# Altium PCB OctopusPB_r0101.PcbDoc (part 7 of 11)
Units mm, origin at the board's own origin, x right, y up, seen from the top; angles counter-clockwise.
Board outline 318 x 80 mm, 4 copper layers (Top Layer, Layer 1, Layer 2, Bottom Layer), stack 1.567 mm thick; 1067 components, 459 nets, 3580 pads, 4392 vias.
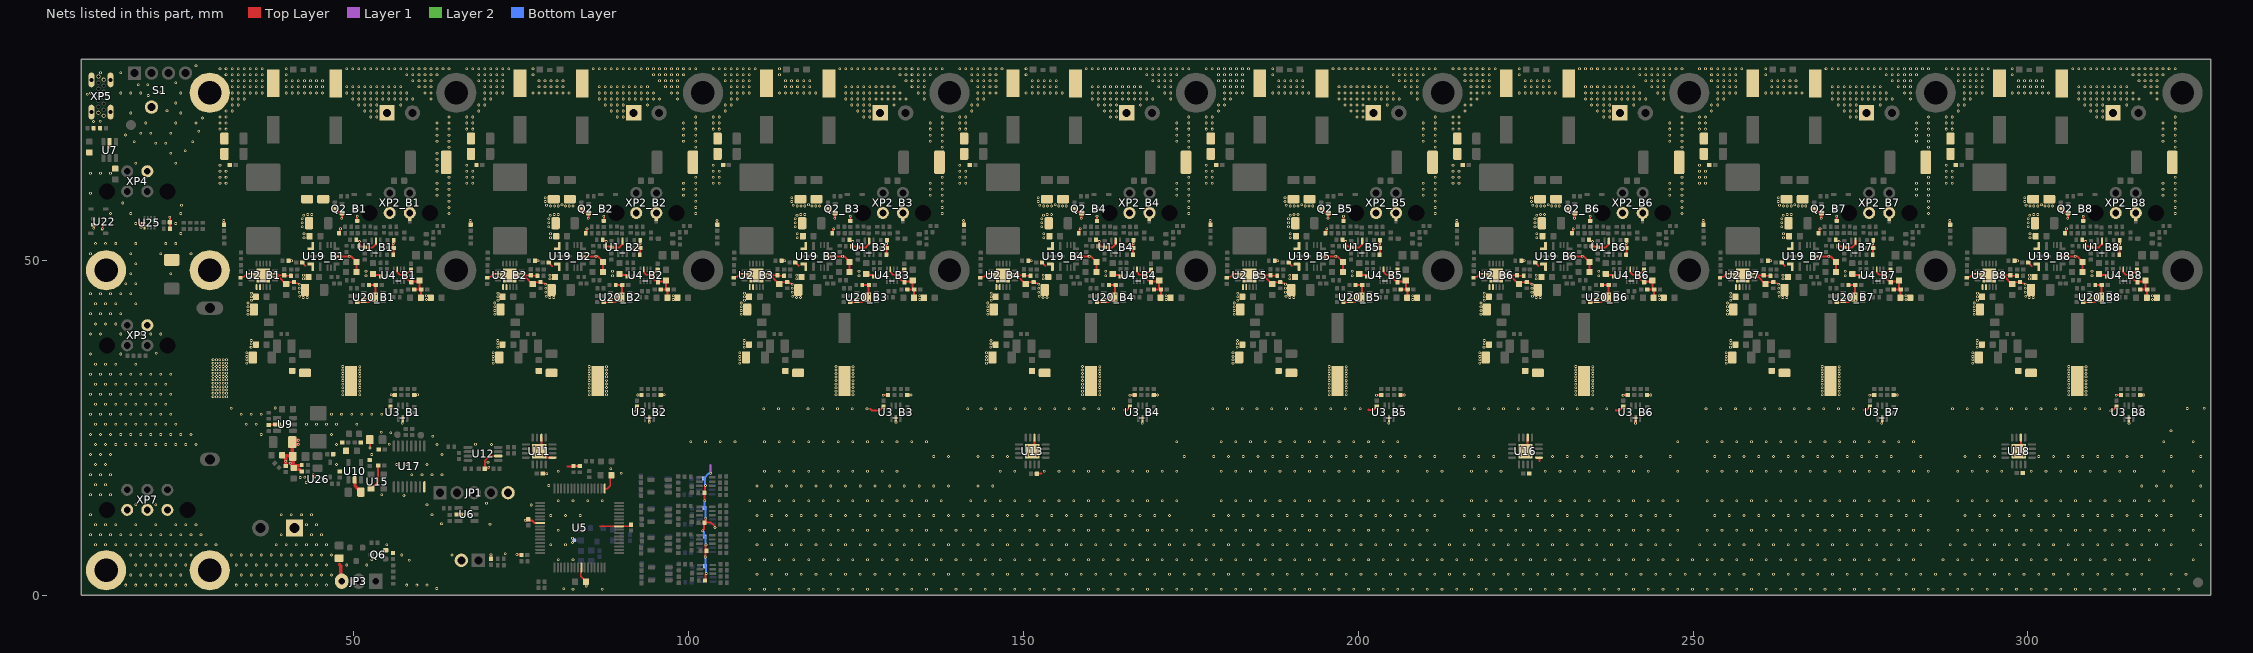
[diagram p9: the nets of this part, all layers, seen from the top]

## Via types
v1: diameter 0.4, hole 0.2, Top Layer to Bottom Layer, tented both sides, 4332 vias
v2: diameter 0.5, hole 0.2, Top Layer to Bottom Layer, tented both sides, 59 vias
v3: diameter 0.4, hole 0.2, Top Layer to Bottom Layer, 1 vias

## Nets (pads, with @x,y where several pads share a name; then routed paths per layer and width w, separated by ;. In a path a pad name is that pad's centre, name@x,y a point inside that pad or via, vN(x,y) a via of type N, cw(c..) or ccw(c..) an arc to the next point about the centre after c; other vN are vias at no path point) (continued)
DGND: (continued)
  other v1: 82.716,0.884 87.116,0.884 109.116,0.884 111.316,0.884 113.516,0.884 115.716,0.884 117.916,0.884 120.116,0.884 122.316,0.884 124.516,0.884 126.716,0.884 128.916,0.884 131.116,0.884 133.316,0.884 135.516,0.884 137.716,0.884 139.916,0.884 142.116,0.884 144.316,0.884 146.516,0.884 148.716,0.884 150.916,0.884 153.116,0.884 155.316,0.884 157.516,0.884 159.716,0.884 161.916,0.884 164.116,0.884 166.316,0.884 168.516,0.884 170.716,0.884 172.916,0.884 175.116,0.884 177.316,0.884 179.516,0.884 181.716,0.884 183.916,0.884 186.116,0.884 188.316,0.884 190.516,0.884 192.716,0.884 194.916,0.884 197.116,0.884 199.316,0.884 201.516,0.884 203.716,0.884 205.916,0.884 208.116,0.884 210.316,0.884 212.516,0.884 214.716,0.884 216.916,0.884 219.116,0.884 221.316,0.884 223.516,0.884 225.716,0.884 227.916,0.884 230.116,0.884 232.316,0.884 234.516,0.884 236.716,0.884 238.916,0.884 241.116,0.884 243.316,0.884 245.516,0.884 247.716,0.884 249.916,0.884 252.116,0.884 254.316,0.884 256.516,0.884 258.716,0.884 260.916,0.884 263.116,0.884 265.316,0.884 267.516,0.884 269.716,0.884 271.916,0.884 274.116,0.884 276.316,0.884 278.516,0.884 280.716,0.884 282.916,0.884 285.116,0.884 287.316,0.884 289.516,0.884 291.716,0.884 293.916,0.884 296.116,0.884 298.316,0.884 300.516,0.884 302.716,0.884 304.916,0.884 307.116,0.884 309.316,0.884 311.516,0.884 313.716,0.884 315.916,0.884 318.116,0.884 320.316,0.884 322.516,0.884 81.35,0.925 62.4,0.975 15.916,1.484 17.416,1.484 18.916,1.484 20.416,1.484 21.916,1.484 23.416,1.484 24.916,1.484 32.416,1.484 33.916,1.484 35.416,1.484 36.916,1.484 38.416,1.484 39.916,1.484 41.416,1.484 42.916,1.484 44.416,1.484 45.916,1.484 57.916,1.484 59.416,1.484 60.916,1.484 16.666,2.984 18.166,2.984 19.666,2.984 21.166,2.984 22.666,2.984 24.166,2.984 33.166,2.984 34.666,2.984 36.166,2.984 37.666,2.984 39.166,2.984 40.666,2.984 42.166,2.984 43.666,2.984 45.166,2.984 46.666,2.984 110.216,3.084 112.416,3.084 114.616,3.084 116.816,3.084 119.016,3.084 121.216,3.084 123.416,3.084 125.616,3.084 127.816,3.084 130.016,3.084 132.216,3.084 134.416,3.084 136.616,3.084 138.816,3.084 141.016,3.084 143.216,3.084 145.416,3.084 147.616,3.084 149.816,3.084 152.016,3.084 154.216,3.084 156.416,3.084 158.616,3.084 160.816,3.084 163.016,3.084 165.216,3.084 167.416,3.084 169.616,3.084 171.816,3.084 174.016,3.084 176.216,3.084 178.416,3.084 180.616,3.084 182.816,3.084 185.016,3.084 187.216,3.084 189.416,3.084 191.616,3.084 193.816,3.084 196.016,3.084 198.216,3.084 200.416,3.084 202.616,3.084 204.816,3.084 207.016,3.084 209.216,3.084 211.416,3.084 213.616,3.084 215.816,3.084 218.016,3.084 220.216,3.084 222.416,3.084 224.616,3.084 226.816,3.084 229.016,3.084 231.216,3.084 233.416,3.084 235.616,3.084 237.816,3.084 240.016,3.084 242.216,3.084 244.416,3.084 246.616,3.084 248.816,3.084 251.016,3.084 253.216,3.084 255.416,3.084 257.616,3.084 259.816,3.084 262.016,3.084 264.216,3.084 266.416,3.084 268.616,3.084 270.816,3.084 273.016,3.084 275.216,3.084 277.416,3.084 279.616,3.084 281.816,3.084 284.016,3.084 286.216,3.084 288.416,3.084 290.616,3.084 292.816,3.084 295.016,3.084 297.216,3.084 299.416,3.084 301.616,3.084 303.816,3.084 306.016,3.084 308.216,3.084 310.416,3.084 312.616,3.084 314.816,3.084 317.016,3.084 321.416,3.084 323.616,3.084 102.625,3.225 17.416,4.484 18.916,4.484 20.416,4.484 21.916,4.484 23.416,4.484 24.916,4.484 32.416,4.484 33.916,4.484 35.416,4.484 36.916,4.484 38.416,4.484 39.916,4.484 41.416,4.484 42.916,4.484 44.416,4.484 45.916,4.484 48.916,4.484 51.916,4.484 58.25,5.175 52.678,5.25 80.516,5.284 82.716,5.284 109.116,5.284 111.316,5.284 113.516,5.284 115.716,5.284 117.916,5.284 120.116,5.284 122.316,5.284 124.516,5.284 126.716,5.284 128.916,5.284 131.116,5.284 133.316,5.284 135.516,5.284 137.716,5.284 139.916,5.284 142.116,5.284 144.316,5.284 146.516,5.284 148.716,5.284 150.916,5.284 153.116,5.284 155.316,5.284 157.516,5.284 159.716,5.284 161.916,5.284 164.116,5.284 166.316,5.284 168.516,5.284 170.716,5.284 172.916,5.284 175.116,5.284 177.316,5.284 179.516,5.284 181.716,5.284 183.916,5.284 186.116,5.284 188.316,5.284 190.516,5.284 192.716,5.284 194.916,5.284 197.116,5.284 199.316,5.284 201.516,5.284 203.716,5.284 205.916,5.284 208.116,5.284 210.316,5.284 212.516,5.284 214.716,5.284 216.916,5.284 219.116,5.284 221.316,5.284 223.516,5.284 225.716,5.284 227.916,5.284 230.116,5.284 232.316,5.284 234.516,5.284 236.716,5.284 238.916,5.284 241.116,5.284 243.316,5.284 245.516,5.284 247.716,5.284 249.916,5.284 252.116,5.284 254.316,5.284 256.516,5.284 258.716,5.284 260.916,5.284 263.116,5.284 265.316,5.284 267.516,5.284 269.716,5.284 271.916,5.284 274.116,5.284 276.316,5.284 278.516,5.284 280.716,5.284 282.916,5.284 287.316,5.284 289.516,5.284 291.716,5.284 293.916,5.284 296.116,5.284 298.316,5.284 300.516,5.284 302.716,5.284 304.916,5.284 307.116,5.284 309.316,5.284 311.516,5.284 313.716,5.284 315.916,5.284 318.116,5.284 324.716,5.284 16.666,5.984 18.166,5.984 19.666,5.984 21.166,5.984 22.666,5.984 24.166,5.984 25.666,5.984 31.666,5.984 33.166,5.984 34.666,5.984 36.166,5.984 37.666,5.984 39.166,5.984 40.666,5.984 42.166,5.984 43.666,5.984 45.166,5.984 46.666,5.984 57.166,5.984 64.666,5.984 72.6,6.15 11.416,7.484 12.916,7.484 14.416,7.484 15.916,7.484 17.416,7.484 18.916,7.484 20.416,7.484 21.916,7.484 23.416,7.484 24.916,7.484 26.416,7.484 27.916,7.484 29.416,7.484 38.416,7.484 39.916,7.484 41.416,7.484 42.916,7.484 44.416,7.484 45.916,7.484 54.916,7.484 79.416,7.484 81.616,7.484 110.216,7.484 112.416,7.484 114.616,7.484 116.816,7.484 119.016,7.484 121.216,7.484 123.416,7.484 125.616,7.484 127.816,7.484 130.016,7.484 132.216,7.484 134.416,7.484 136.616,7.484 138.816,7.484 141.016,7.484 143.216,7.484 145.416,7.484 147.616,7.484 149.816,7.484 152.016,7.484 154.216,7.484 156.416,7.484 158.616,7.484 160.816,7.484 163.016,7.484 165.216,7.484 167.416,7.484 169.616,7.484 171.816,7.484 174.016,7.484 176.216,7.484 178.416,7.484 180.616,7.484 182.816,7.484 185.016,7.484 187.216,7.484 189.416,7.484 191.616,7.484 193.816,7.484 196.016,7.484 198.216,7.484 200.416,7.484 202.616,7.484 204.816,7.484 207.016,7.484 209.216,7.484 211.416,7.484 213.616,7.484 215.816,7.484 218.016,7.484 220.216,7.484 222.416,7.484 224.616,7.484 226.816,7.484 229.016,7.484 231.216,7.484 233.416,7.484 235.616,7.484 237.816,7.484 240.016,7.484 242.216,7.484 244.416,7.484 246.616,7.484 251.016,7.484 253.216,7.484 255.416,7.484 257.616,7.484 259.816,7.484 262.016,7.484 264.216,7.484 266.416,7.484 268.616,7.484 270.816,7.484 273.016,7.484 275.216,7.484 277.416,7.484 279.616,7.484 281.816,7.484 284.016,7.484 288.416,7.484 290.616,7.484 292.816,7.484 295.016,7.484 297.216,7.484 299.416,7.484 301.616,7.484 303.816,7.484 306.016,7.484 308.216,7.484 310.416,7.484 312.616,7.484 314.816,7.484 317.016,7.484 319.216,7.484 321.416,7.484 325.816,7.484 82.65,7.85 82.65,8.475 10.666,8.984 12.166,8.984 13.666,8.984 15.166,8.984 16.666,8.984 18.166,8.984 19.666,8.984 21.166,8.984 22.666,8.984 24.166,8.984 25.666,8.984 27.166,8.984 39.166,8.984 43.666,8.984 45.166,8.984 80.516,9.684 109.116,9.684 111.316,9.684 113.516,9.684 115.716,9.684 117.916,9.684 120.116,9.684 122.316,9.684 124.516,9.684 126.716,9.684 128.916,9.684 131.116,9.684 133.316,9.684 135.516,9.684 137.716,9.684 139.916,9.684 142.116,9.684 144.316,9.684 146.516,9.684 148.716,9.684 150.916,9.684 153.116,9.684 155.316,9.684 157.516,9.684 159.716,9.684 161.916,9.684 164.116,9.684 166.316,9.684 168.516,9.684 170.716,9.684 172.916,9.684 175.116,9.684 177.316,9.684 179.516,9.684 181.716,9.684 183.916,9.684 186.116,9.684 188.316,9.684 190.516,9.684 192.716,9.684 194.916,9.684 197.116,9.684 199.316,9.684 201.516,9.684 203.716,9.684 205.916,9.684 208.116,9.684 210.316,9.684 216.916,9.684 219.116,9.684 221.316,9.684 223.516,9.684 225.716,9.684 227.916,9.684 230.116,9.684 232.316,9.684 234.516,9.684 236.716,9.684 238.916,9.684 241.116,9.684 243.316,9.684 245.516,9.684 247.716,9.684 252.116,9.684 254.316,9.684 256.516,9.684 258.716,9.684 260.916,9.684 263.116,9.684 265.316,9.684 267.516,9.684 269.716,9.684 271.916,9.684 274.116,9.684 276.316,9.684 278.516,9.684 280.716,9.684 282.916,9.684 285.116,9.684 289.516,9.684 291.716,9.684 293.916,9.684 296.116,9.684 298.316,9.684 300.516,9.684 302.716,9.684 304.916,9.684 307.116,9.684 309.316,9.684 311.516,9.684 313.716,9.684 315.916,9.684 318.116,9.684 320.316,9.684 324.716,9.684 11.416,10.484 12.916,10.484 14.416,10.484 17.416,10.484 20.416,10.484 23.416,10.484 24.916,10.484 26.416,10.484 42.916,10.484 44.416,10.484 70.325,10.575 63.1,10.625 79.416,11.884 81.616,11.884 83.816,11.884 110.216,11.884 112.416,11.884 114.616,11.884 116.816,11.884 119.016,11.884 121.216,11.884 123.416,11.884 125.616,11.884 127.816,11.884 130.016,11.884 132.216,11.884 134.416,11.884 136.616,11.884 138.816,11.884 141.016,11.884 143.216,11.884 145.416,11.884 147.616,11.884 149.816,11.884 152.016,11.884 154.216,11.884 156.416,11.884 158.616,11.884 160.816,11.884 163.016,11.884 165.216,11.884 167.416,11.884 169.616,11.884 171.816,11.884 178.416,11.884 180.616,11.884 182.816,11.884 185.016,11.884 187.216,11.884 189.416,11.884 191.616,11.884 193.816,11.884 196.016,11.884 198.216,11.884 200.416,11.884 202.616,11.884 204.816,11.884 207.016,11.884 209.216,11.884 211.416,11.884 215.816,11.884 218.016,11.884 220.216,11.884 222.416,11.884 224.616,11.884 226.816,11.884 229.016,11.884 231.216,11.884 233.416,11.884 235.616,11.884 237.816,11.884 240.016,11.884 242.216,11.884 244.416,11.884 246.616,11.884 253.216,11.884 255.416,11.884 257.616,11.884 259.816,11.884 262.016,11.884 264.216,11.884 266.416,11.884 268.616,11.884 270.816,11.884 273.016,11.884 275.216,11.884 277.416,11.884 279.616,11.884 281.816,11.884 284.016,11.884 290.616,11.884 292.816,11.884 295.016,11.884 297.216,11.884 299.416,11.884 301.616,11.884 303.816,11.884 306.016,11.884 308.216,11.884 310.416,11.884 312.616,11.884 314.816,11.884 317.016,11.884 319.216,11.884 321.416,11.884 325.816,11.884 10.666,11.984 39.166,11.984 40.666,11.984 42.166,11.984 43.666,11.984 61.666,11.984 76.475,13.45 17.416,13.484 20.416,13.484 60.916,13.484 69.8,13.7 80.516,14.084 82.716,14.084 84.916,14.084 87.116,14.084 109.116,14.084 111.316,14.084 113.516,14.084 115.716,14.084 117.916,14.084 120.116,14.084 122.316,14.084 124.516,14.084 126.716,14.084 128.916,14.084 131.116,14.084 133.316,14.084 135.516,14.084 137.716,14.084 142.116,14.084 144.316,14.084 146.516,14.084 148.716,14.084 150.916,14.084 153.116,14.084 155.316,14.084 157.516,14.084 159.716,14.084 161.916,14.084 164.116,14.084 166.316,14.084 168.516,14.084 170.716,14.084 172.916,14.084 179.516,14.084 181.716,14.084 183.916,14.084 186.116,14.084 188.316,14.084 190.516,14.084 192.716,14.084 194.916,14.084 197.116,14.084 199.316,14.084 201.516,14.084 203.716,14.084 205.916,14.084 208.116,14.084 210.316,14.084 212.516,14.084 216.916,14.084 219.116,14.084 221.316,14.084 223.516,14.084 225.716,14.084 227.916,14.084 230.116,14.084 232.316,14.084 234.516,14.084 236.716,14.084 238.916,14.084 241.116,14.084 243.316,14.084 245.516,14.084 247.716,14.084 252.116,14.084 254.316,14.084 256.516,14.084 258.716,14.084 260.916,14.084 263.116,14.084 265.316,14.084 267.516,14.084 269.716,14.084 271.916,14.084 274.116,14.084 276.316,14.084 278.516,14.084 280.716,14.084 282.916,14.084 285.116,14.084 289.516,14.084 291.716,14.084 293.916,14.084 296.116,14.084 298.316,14.084 300.516,14.084 302.716,14.084 304.916,14.084 307.116,14.084 309.316,14.084 311.516,14.084 313.716,14.084 315.916,14.084 318.116,14.084 320.316,14.084 324.716,14.084 57.475,14.875 10.666,14.984 12.166,14.984 13.666,14.984 54.166,14.984 110.216,16.284 112.416,16.284 114.616,16.284 116.816,16.284 119.016,16.284 121.216,16.284 123.416,16.284 125.616,16.284 127.816,16.284 130.016,16.284 132.216,16.284 134.416,16.284 136.616,16.284 138.816,16.284 143.216,16.284 145.416,16.284 317.016,16.284 319.216,16.284 321.416,16.284 325.816,16.284 79.1,16.35 11.416,16.484 12.916,16.484 53.416,16.484 42.875,16.8 41.975,17.55 42.65,17.575 10.666,17.984 12.166,17.984 13.666,17.984 58.666,17.984 60.166,17.984 61.666,17.984 63.166,17.984 89.925,18.175 80.516,18.484 111.316,18.484 113.516,18.484 115.716,18.484 117.916,18.484 120.116,18.484 122.316,18.484 124.516,18.484 126.716,18.484 128.916,18.484 131.116,18.484 146.516,18.484 148.716,18.484 153.116,18.484 155.316,18.484 157.516,18.484 159.716,18.484 161.916,18.484 164.116,18.484 166.316,18.484 168.516,18.484 170.716,18.484 172.916,18.484 179.516,18.484 181.716,18.484 183.916,18.484 186.116,18.484 188.316,18.484 190.516,18.484 192.716,18.484 194.916,18.484 197.116,18.484 199.316,18.484 201.516,18.484 203.716,18.484 205.916,18.484 210.316,18.484 212.516,18.484 216.916,18.484 219.116,18.484 221.316,18.484 227.916,18.484 230.116,18.484 232.316,18.484 234.516,18.484 236.716,18.484 238.916,18.484 241.116,18.484 243.316,18.484 247.716,18.484 252.116,18.484 254.316,18.484 256.516,18.484 258.716,18.484 260.916,18.484 263.116,18.484 265.316,18.484 267.516,18.484 269.716,18.484 271.916,18.484 274.116,18.484 276.316,18.484 278.516,18.484 280.716,18.484 282.916,18.484 285.116,18.484 289.516,18.484 291.716,18.484 293.916,18.484 296.116,18.484 300.516,18.484 302.716,18.484 304.916,18.484 307.116,18.484 309.316,18.484 311.516,18.484 313.716,18.484 315.916,18.484 320.316,18.484 324.716,18.484 88.35,18.875 11.416,19.484 12.916,19.484 47.416,19.484 56.416,19.484 57.916,19.484 59.416,19.484 60.916,19.484 70.025,19.825 136.616,20.684 138.816,20.684 143.216,20.684 145.416,20.684 147.616,20.684 174.016,20.684 178.416,20.684 180.616,20.684 182.816,20.684 185.016,20.684 187.216,20.684 189.416,20.684 191.616,20.684 193.816,20.684 196.016,20.684 198.216,20.684 200.416,20.684 202.616,20.684 204.816,20.684 207.016,20.684 209.216,20.684 211.416,20.684 215.816,20.684 218.016,20.684 220.216,20.684 229.016,20.684 231.216,20.684 233.416,20.684 235.616,20.684 237.816,20.684 240.016,20.684 242.216,20.684 246.616,20.684 253.216,20.684 255.416,20.684 257.616,20.684 259.816,20.684 262.016,20.684 264.216,20.684 266.416,20.684 268.616,20.684 270.816,20.684 273.016,20.684 275.216,20.684 277.416,20.684 279.616,20.684 284.016,20.684 290.616,20.684 292.816,20.684 295.016,20.684 301.616,20.684 303.816,20.684 306.016,20.684 308.216,20.684 310.416,20.684 312.616,20.684 314.816,20.684 317.016,20.684 321.416,20.684 325.816,20.684 10.666,20.984 12.166,20.984 13.666,20.984 52.666,20.984 63.166,20.984 70.55,22.475 11.416,22.484 12.916,22.484 14.416,22.484 15.916,22.484 17.416,22.484 18.916,22.484 20.416,22.484 21.916,22.484 23.416,22.484 24.916,22.484 26.416,22.484 47.416,22.484 55.275,22.5 62.416,22.484 68.175,22.525 100.316,22.884 102.516,22.884 104.716,22.884 106.916,22.884 111.316,22.884 113.516,22.884 115.716,22.884 117.916,22.884 120.116,22.884 122.316,22.884 124.516,22.884 126.716,22.884 128.916,22.884 131.116,22.884 133.316,22.884 135.516,22.884 172.916,22.884 179.516,22.884 181.716,22.884 183.916,22.884 186.116,22.884 188.316,22.884 190.516,22.884 192.716,22.884 194.916,22.884 197.116,22.884 199.316,22.884 201.516,22.884 203.716,22.884 205.916,22.884 247.716,22.884 252.116,22.884 254.316,22.884 256.516,22.884 258.716,22.884 260.916,22.884 263.116,22.884 265.316,22.884 267.516,22.884 269.716,22.884 271.916,22.884 274.116,22.884 276.316,22.884 278.516,22.884 280.716,22.884 282.916,22.884 320.316,22.884 324.716,22.884 61.775,23.725 10.666,23.984 12.166,23.984 13.666,23.984 15.166,23.984 16.666,23.984 18.166,23.984 19.666,23.984 21.166,23.984 22.666,23.984 24.166,23.984 25.666,23.984 36.166,23.984 46.666,23.984 55.525,24.25 54.1,24.325 321.375,24.525 11.416,25.484 12.916,25.484 14.416,25.484 15.916,25.484 17.416,25.484 18.916,25.484 20.416,25.484 21.916,25.484 23.416,25.484 33.916,25.484 35.416,25.484 42.916,25.484 44.416,25.484 45.916,25.484 47.416,25.484 50.416,25.484 94.1,25.8 10.666,26.984 12.166,26.984 13.666,26.984 15.166,26.984 16.666,26.984 18.166,26.984 19.666,26.984 21.166,26.984 22.666,26.984 33.166,26.984 34.666,26.984 36.166,26.984 46.666,26.984 48.166,26.984 49.666,26.984 51.166,26.984 52.666,26.984 54.166,26.984 111.225,27.8 113.425,27.8 115.625,27.8 117.825,27.8 120.025,27.8 122.225,27.8 124.425,27.8 126.625,27.8 141.7,27.8 215.1,27.8 217.3,27.8 219.5,27.8 221.7,27.8 223.9,27.8 226.1,27.8 228.3,27.8 230.5,27.8 232.7,27.8 234.9,27.8 237.1,27.8 251.925,27.8 254.125,27.8 256.325,27.8 258.525,27.8 260.725,27.8 262.925,27.8 265.125,27.8 267.325,27.8 269.525,27.8 271.725,27.8 273.925,27.8 288.75,27.8 290.95,27.8 293.15,27.8 295.35,27.8 297.55,27.8 299.75,27.8 301.95,27.8 304.15,27.8 306.35,27.8 308.55,27.8 310.75,27.8 143.65,27.82 145.85,27.82 148.05,27.82 150.25,27.82 152.45,27.82 154.65,27.82 156.85,27.82 159.05,27.82 161.25,27.82 163.45,27.82 178.275,27.82 180.475,27.82 182.675,27.82 184.875,27.82 187.075,27.82 189.275,27.82 191.475,27.82 193.675,27.82 195.875,27.82 198.075,27.82 200.275,27.82 323.8,27.85 31.675,27.9 326.325,27.9 38.25,27.925 11.416,28.484 12.916,28.484 14.416,28.484 15.916,28.484 17.416,28.484 18.916,28.484 20.416,28.484 21.916,28.484 28.975,29.625 29.475,29.625 29.975,29.625 30.475,29.625 30.975,29.625 48.35,29.925 50.9,29.925 85.175,29.925 87.725,29.925 122,29.925 124.55,29.925 158.825,29.925 161.375,29.925 195.65,29.925 198.2,29.925 232.475,29.925 235.025,29.925 269.3,29.925 271.85,29.925 306.125,29.925 308.675,29.925 10.666,29.984 12.166,29.984 13.666,29.984 15.166,29.984 16.666,29.984 18.166,29.984 19.666,29.984 21.166,29.984 22.666,29.984 28.975,30.125 29.475,30.125 29.975,30.125 30.475,30.125 30.975,30.125 48.35,30.45 50.9,30.45 85.175,30.45 87.725,30.45 122,30.45 124.55,30.45 158.825,30.45 161.375,30.45 195.65,30.45 198.2,30.45 232.475,30.45 235.025,30.45 269.3,30.45 271.85,30.45 306.125,30.45 308.675,30.45 28.975,30.625 29.475,30.625 29.975,30.625 30.475,30.625 30.975,30.625 48.35,30.975 85.175,30.975 122,30.975 158.825,30.975 195.65,30.975 232.475,30.975 269.3,30.975 306.125,30.975 50.9,31 87.725,31 124.55,31 161.375,31 198.2,31 235.025,31 271.85,31 308.675,31 28.975,31.125 29.475,31.125 29.975,31.125 30.475,31.125 30.975,31.125 11.416,31.484 12.916,31.484 14.416,31.484 15.916,31.484 17.416,31.484 18.916,31.484 20.416,31.484 21.916,31.484 48.35,31.5 85.175,31.5 122,31.5 158.825,31.5 195.65,31.5 232.475,31.5 269.3,31.5 306.125,31.5 50.9,31.525 87.725,31.525 124.55,31.525 161.375,31.525 198.2,31.525 235.025,31.525 271.85,31.525 308.675,31.525 28.975,31.625 29.475,31.625 29.975,31.625 30.475,31.625 30.975,31.625 48.35,32.025 85.175,32.025 122,32.025 158.825,32.025 195.65,32.025 232.475,32.025 269.3,32.025 306.125,32.025 50.9,32.05 87.725,32.05 124.55,32.05 161.375,32.05 198.2,32.05 235.025,32.05 271.85,32.05 308.675,32.05 28.975,32.125 29.475,32.125 29.975,32.125 30.475,32.125 30.975,32.125 48.35,32.55 85.175,32.55 122,32.55 158.825,32.55 195.65,32.55 232.475,32.55 269.3,32.55 306.125,32.55 50.9,32.575 87.725,32.575 124.55,32.575 161.375,32.575 198.2,32.575 235.025,32.575 271.85,32.575 308.675,32.575 28.975,32.625 29.475,32.625 29.975,32.625 30.475,32.625 30.975,32.625 10.666,32.984 12.166,32.984 13.666,32.984 15.166,32.984 16.666,32.984 18.166,32.984 19.666,32.984 21.166,32.984 22.666,32.984 48.35,33.075 50.9,33.075 85.175,33.075 87.725,33.075 122,33.075 124.55,33.075 158.825,33.075 161.375,33.075 195.65,33.075 198.2,33.075 232.475,33.075 235.025,33.075 269.3,33.075 271.85,33.075 306.125,33.075 308.675,33.075 28.975,33.125 29.475,33.125 29.975,33.125 30.475,33.125 30.975,33.125 48.35,33.6 50.9,33.6 85.175,33.6 87.725,33.6 122,33.6 124.55,33.6 158.825,33.6 161.375,33.6 195.65,33.6 198.2,33.6 232.475,33.6 235.025,33.6 269.3,33.6 271.85,33.6 306.125,33.6 308.675,33.6 28.975,33.625 29.475,33.625 29.975,33.625 30.475,33.625 30.975,33.625 50.9,34.1 87.725,34.1 124.55,34.1 161.375,34.1 198.2,34.1 235.025,34.1 271.85,34.1 308.675,34.1 28.975,34.125 29.475,34.125 29.975,34.125 30.475,34.125 30.975,34.125 48.35,34.125 85.175,34.125 122,34.125 158.825,34.125 195.65,34.125 232.475,34.125 269.3,34.125 306.125,34.125 11.416,34.484 12.916,34.484 14.416,34.484 17.416,34.484 34,34.6 70.825,34.6 107.65,34.6 144.475,34.6 181.3,34.6 218.125,34.6 254.95,34.6 291.775,34.6 28.975,34.625 29.475,34.625 29.975,34.625 30.475,34.625 30.975,34.625 28.975,35.125 29.475,35.125 29.975,35.125 30.475,35.125 30.975,35.125 34,35.15 70.825,35.15 107.65,35.15 144.475,35.15 181.3,35.15 218.125,35.15 254.95,35.15 291.775,35.15 34,35.625 70.825,35.625 107.65,35.625 144.475,35.625 181.3,35.625 218.125,35.625 254.95,35.625 291.775,35.625 10.666,35.984 15.166,35.984 20.5,36.1 34,36.2 70.825,36.2 107.65,36.2 144.475,36.2 181.3,36.2 218.125,36.2 254.95,36.2 291.775,36.2 34.65,37.025 71.475,37.025 108.3,37.025 145.125,37.025 181.95,37.025 218.775,37.025 255.6,37.025 292.425,37.025 34.675,37.525 71.5,37.525 108.325,37.525 145.15,37.525 181.975,37.525 218.8,37.525 255.625,37.525 292.45,37.525 34.675,38 71.5,38 108.325,38 145.15,38 181.975,38 218.8,38 255.625,38 292.45,38 10.666,38.984 12.166,38.984 15.166,38.984 18.166,38.984 19.666,38.984 21.166,38.984 11.416,40.484 12.916,40.484 14.416,40.484 34.2,41.95 71.025,41.95 107.85,41.95 144.675,41.95 181.5,41.95 218.325,41.95 255.15,41.95 291.975,41.95 10.666,41.984 12.166,41.984 13.666,41.984 15.166,41.984 34.2,42.5 71.025,42.5 107.85,42.5 144.675,42.5 181.5,42.5 218.325,42.5 255.15,42.5 291.975,42.5 34.2,43.05 71.025,43.05 107.85,43.05 144.675,43.05 181.5,43.05 218.325,43.05 255.15,43.05 291.975,43.05 11.416,43.484 12.916,43.484 14.416,43.484 17.416,43.484 34.2,43.6 71.025,43.6 107.85,43.6 144.675,43.6 181.5,43.6 218.325,43.6 255.15,43.6 291.975,43.6 34.7,44 71.525,44 108.35,44 145.175,44 182,44 218.825,44 255.65,44 292.475,44 53.35,44.025 90.175,44.025 127,44.025 163.825,44.025 200.65,44.025 237.475,44.025 274.3,44.025 311.125,44.025 60.85,44.125 97.675,44.125 134.5,44.125 171.325,44.125 208.15,44.125 244.975,44.125 281.8,44.125 318.625,44.125 42.45,44.425 43.05,44.425 79.275,44.425 79.875,44.425 116.1,44.425 116.7,44.425 152.925,44.425 153.525,44.425 189.75,44.425 190.35,44.425 226.575,44.425 227.175,44.425 263.4,44.425 264,44.425 300.225,44.425 300.825,44.425 34.7,44.55 71.525,44.55 108.35,44.55 145.175,44.55 182,44.55 218.825,44.55 255.65,44.55 292.475,44.55 41.9,44.6 78.725,44.6 115.55,44.6 152.375,44.6 189.2,44.6 226.025,44.6 262.85,44.6 299.675,44.6 60.85,44.675 97.675,44.675 134.5,44.675 171.325,44.675 208.15,44.675 244.975,44.675 281.8,44.675 318.625,44.675 52.55,44.925 53.35,44.925 89.375,44.925 90.175,44.925 126.2,44.925 127,44.925 163.025,44.925 163.825,44.925 199.85,44.925 200.65,44.925 236.675,44.925 237.475,44.925 273.5,44.925 274.3,44.925 310.325,44.925 311.125,44.925 10.666,44.984 12.166,44.984 13.666,44.984 15.166,44.984 16.666,44.984 34.7,45.075 71.525,45.075 108.35,45.075 145.175,45.075 182,45.075 218.825,45.075 255.65,45.075 292.475,45.075 41.825,45.2 78.65,45.2 115.475,45.2 152.3,45.2 189.125,45.2 225.95,45.2 262.775,45.2 299.6,45.2 41.825,45.8 78.65,45.8 115.475,45.8 152.3,45.8 189.125,45.8 225.95,45.8 262.775,45.8 299.6,45.8 15.916,46.484 17.416,46.484 42.475,47.225 79.3,47.225 116.125,47.225 152.95,47.225 189.775,47.225 226.6,47.225 263.425,47.225 300.25,47.225 51.8,47.7 88.625,47.7 125.45,47.7 162.275,47.7 199.1,47.7 235.925,47.7 272.75,47.7 309.575,47.7 42.475,47.775 79.3,47.775 116.125,47.775 152.95,47.775 189.775,47.775 226.6,47.775 263.425,47.775 300.25,47.775 16.666,47.984 22.666,47.984 51.8,48.375 88.625,48.375 125.45,48.375 162.275,48.375 199.1,48.375 235.925,48.375 272.75,48.375 309.575,48.375 17.416,49.484 49.325,50.575 86.15,50.575 122.975,50.575 159.8,50.575 196.625,50.575 233.45,50.575 270.275,50.575 307.1,50.575 10.666,50.984 16.666,50.984 21.166,50.984 25.666,50.984 11.416,52.484 12.916,52.484 14.416,52.484 17.416,52.484 21.916,52.484 23.416,52.484 87.677,52.803 124.502,52.803 161.327,52.803 198.152,52.803 234.978,52.803 271.803,52.803 308.628,52.803 42.55,53.35 79.375,53.35 116.2,53.35 153.025,53.35 189.85,53.35 226.675,53.35 263.5,53.35 300.325,53.35 42.55,53.975 79.375,53.975 116.2,53.975 153.025,53.975 189.85,53.975 226.675,53.975 263.5,53.975 300.325,53.975 24.166,53.984 42.275,54.975 79.1,54.975 115.925,54.975 152.75,54.975 189.575,54.975 226.4,54.975 263.225,54.975 300.05,54.975 17.416,55.484 23.416,55.484 42.275,55.575 79.1,55.575 115.925,55.575 152.75,55.575 189.575,55.575 226.4,55.575 263.225,55.575 300.05,55.575 42.275,56.175 79.1,56.175 115.925,56.175 152.75,56.175 189.575,56.175 226.4,56.175 263.225,56.175 300.05,56.175 42.525,56.7 79.35,56.7 116.175,56.7 153,56.7 189.825,56.7 226.65,56.7 263.475,56.7 300.3,56.7 43.1,56.825 43.7,56.825 79.925,56.825 80.525,56.825 116.75,56.825 117.35,56.825 153.575,56.825 154.175,56.825 190.4,56.825 191,56.825 227.225,56.825 227.825,56.825 264.05,56.825 264.65,56.825 300.875,56.825 301.475,56.825 13.666,56.984 16.666,56.984 24.166,56.984 64.216,56.984 101.041,56.984 137.866,56.984 174.691,56.984 211.516,56.984 248.341,56.984 285.166,56.984 321.991,56.984 64.216,57.884 101.041,57.884 137.866,57.884 174.691,57.884 211.516,57.884 248.341,57.884 285.166,57.884 321.991,57.884 79.375,58.1 79.95,58.1 80.525,58.1 81.6,58.1 82.175,58.1 82.725,58.1 116.2,58.1 116.775,58.1 117.35,58.1 118.425,58.1 119,58.1 119.55,58.1 153.025,58.1 153.6,58.1 154.175,58.1 155.25,58.1 155.825,58.1 156.375,58.1 189.85,58.1 190.425,58.1 191,58.1 192.075,58.1 192.65,58.1 193.2,58.1 226.675,58.1 227.25,58.1 227.825,58.1 228.9,58.1 229.475,58.1 230.025,58.1 263.5,58.1 264.075,58.1 264.65,58.1 265.725,58.1 266.3,58.1 266.85,58.1 300.325,58.1 300.9,58.1 301.475,58.1 302.55,58.1 303.125,58.1 303.675,58.1 24.25,58.225 78.775,58.225 115.6,58.225 152.425,58.225 189.25,58.225 226.075,58.225 262.9,58.225 299.725,58.225 81.075,58.3 117.9,58.3 154.725,58.3 191.55,58.3 228.375,58.3 265.2,58.3 302.025,58.3 15.475,58.55 78.575,58.775 115.4,58.775 152.225,58.775 189.05,58.775 225.875,58.775 262.7,58.775 299.525,58.775 64.216,58.784 101.041,58.784 137.866,58.784 174.691,58.784 211.516,58.784 248.341,58.784 285.166,58.784 321.991,58.784 78.575,59.35 115.4,59.35 152.225,59.35 189.05,59.35 225.875,59.35 262.7,59.35 299.525,59.35 62.416,59.684 64.216,59.684 99.241,59.684 101.041,59.684 136.066,59.684 137.866,59.684 172.891,59.684 174.691,59.684 209.716,59.684 211.516,59.684 246.541,59.684 248.341,59.684 283.366,59.684 285.166,59.684 320.191,59.684 321.991,59.684 10.666,59.984 62.416,60.584 64.216,60.584 99.241,60.584 101.041,60.584 136.066,60.584 137.866,60.584 172.891,60.584 174.691,60.584 209.716,60.584 211.516,60.584 246.541,60.584 248.341,60.584 283.366,60.584 285.166,60.584 320.191,60.584 321.991,60.584 30.016,61.484 30.916,61.484 62.416,61.484 64.216,61.484 66.841,61.484 67.741,61.484 99.241,61.484 101.041,61.484 103.666,61.484 104.566,61.484 136.066,61.484 137.866,61.484 140.491,61.484 141.391,61.484 172.891,61.484 174.691,61.484 177.316,61.484 178.216,61.484 209.716,61.484 211.516,61.484 214.141,61.484 215.041,61.484 246.541,61.484 248.341,61.484 250.966,61.484 251.866,61.484 283.366,61.484 285.166,61.484 287.791,61.484 288.691,61.484 320.191,61.484 321.991,61.484 30.016,62.384 30.916,62.384 64.216,62.384 66.841,62.384 67.741,62.384 101.041,62.384 103.666,62.384 104.566,62.384 137.866,62.384 140.491,62.384 141.391,62.384 174.691,62.384 177.316,62.384 178.216,62.384 211.516,62.384 214.141,62.384 215.041,62.384 248.341,62.384 250.966,62.384 251.866,62.384 285.166,62.384 287.791,62.384 288.691,62.384 321.991,62.384 10.666,62.984 12.166,62.984 13.666,62.984 30.016,63.284 30.916,63.284 62.416,63.284 66.841,63.284 67.741,63.284 103.666,63.284 104.566,63.284 140.491,63.284 141.391,63.284 177.316,63.284 178.216,63.284 214.141,63.284 215.041,63.284 250.966,63.284 251.866,63.284 287.791,63.284 288.691,63.284 30.016,64.184 62.416,64.184 66.841,64.184 103.666,64.184 140.491,64.184 177.316,64.184 214.141,64.184 250.966,64.184 287.791,64.184 17.416,64.484 23.416,64.484 62.416,65.084 22.666,65.984 62.416,65.984 24.825,66.325 64.216,66.884 101.041,66.884 137.866,66.884 174.691,66.884 211.516,66.884 248.341,66.884 285.166,66.884 321.991,66.884 20.416,67.484 21.916,67.484 17.2,67.675 25.925,67.675 62.416,67.784 64.216,67.784 99.241,67.784 101.041,67.784 136.066,67.784 137.866,67.784 172.891,67.784 174.691,67.784 209.716,67.784 211.516,67.784 246.541,67.784 248.341,67.784 283.366,67.784 285.166,67.784 320.191,67.784 321.991,67.784 15.9,68.7 62.416,68.684 64.216,68.684 99.241,68.684 101.041,68.684 136.066,68.684 137.866,68.684 172.891,68.684 174.691,68.684 209.716,68.684 211.516,68.684 246.541,68.684 248.341,68.684 283.366,68.684 285.166,68.684 320.191,68.684 321.991,68.684 18.166,68.984 19.666,68.984 22.666,68.984 26.85,69.25 30.016,69.584 30.916,69.584 62.416,69.584 64.216,69.584 66.841,69.584 67.741,69.584 99.241,69.584 101.041,69.584 103.666,69.584 104.566,69.584 136.066,69.584 137.866,69.584 140.491,69.584 141.391,69.584 172.891,69.584 174.691,69.584 177.316,69.584 178.216,69.584 209.716,69.584 211.516,69.584 214.141,69.584 215.041,69.584 246.541,69.584 248.341,69.584 250.966,69.584 251.866,69.584 283.366,69.584 285.166,69.584 287.791,69.584 288.691,69.584 320.191,69.584 321.991,69.584 18.916,70.484 23.416,70.484 26.416,70.484 30.016,70.484 30.916,70.484 62.416,70.484 64.216,70.484 66.841,70.484 67.741,70.484 99.241,70.484 101.041,70.484 103.666,70.484 104.566,70.484 136.066,70.484 137.866,70.484 140.491,70.484 141.391,70.484 172.891,70.484 174.691,70.484 177.316,70.484 178.216,70.484 209.716,70.484 211.516,70.484 214.141,70.484 215.041,70.484 246.541,70.484 248.341,70.484 250.966,70.484 251.866,70.484 283.366,70.484 285.166,70.484 287.791,70.484 288.691,70.484 320.191,70.484 321.991,70.484 11.125,70.725 12.1,70.75 27.4,71.25 30.016,71.384 30.916,71.384 52.516,71.384 53.416,71.384 64.216,71.384 66.841,71.384 67.741,71.384 89.341,71.384 90.241,71.384 101.041,71.384 103.666,71.384 104.566,71.384 126.166,71.384 127.066,71.384 137.866,71.384 140.491,71.384 141.391,71.384 162.991,71.384 163.891,71.384 174.691,71.384 177.316,71.384 178.216,71.384 199.816,71.384 200.716,71.384 211.516,71.384 214.141,71.384 215.041,71.384 236.641,71.384 237.541,71.384 248.341,71.384 250.966,71.384 251.866,71.384 273.466,71.384 274.366,71.384 285.166,71.384 287.791,71.384 288.691,71.384 310.291,71.384 311.191,71.384 321.991,71.384 16.666,71.984 24.166,71.984 30.916,72.284 31.816,72.284 51.616,72.284 52.516,72.284 53.416,72.284 68.641,72.284 88.441,72.284 89.341,72.284 90.241,72.284 105.466,72.284 125.266,72.284 126.166,72.284 127.066,72.284 142.291,72.284 162.091,72.284 162.991,72.284 163.891,72.284 179.116,72.284 198.916,72.284 199.816,72.284 200.716,72.284 215.941,72.284 235.741,72.284 236.641,72.284 237.541,72.284 252.766,72.284 272.566,72.284 273.466,72.284 274.366,72.284 289.591,72.284 309.391,72.284 310.291,72.284 311.191,72.284 22.1,72.3 31.816,73.184 32.716,73.184 50.716,73.184 51.616,73.184 52.516,73.184 53.416,73.184 57.016,73.184 68.641,73.184 69.541,73.184 87.541,73.184 88.441,73.184 89.341,73.184 90.241,73.184 93.841,73.184 105.466,73.184 106.366,73.184 124.366,73.184 125.266,73.184 126.166,73.184 127.066,73.184 130.666,73.184 142.291,73.184 143.191,73.184 161.191,73.184 162.091,73.184 162.991,73.184 163.891,73.184 167.491,73.184 179.116,73.184 180.016,73.184 198.016,73.184 198.916,73.184 199.816,73.184 200.716,73.184 204.316,73.184 215.941,73.184 216.841,73.184 234.841,73.184 235.741,73.184 236.641,73.184 237.541,73.184 241.141,73.184 252.766,73.184 253.666,73.184 271.666,73.184 272.566,73.184 273.466,73.184 274.366,73.184 277.966,73.184 289.591,73.184 290.491,73.184 308.491,73.184 309.391,73.184 310.291,73.184 311.191,73.184 314.791,73.184 23.416,73.484 31.816,74.084 32.716,74.084 33.616,74.084 49.816,74.084 50.716,74.084 51.616,74.084 52.516,74.084 53.416,74.084 54.316,74.084 55.216,74.084 56.116,74.084 57.016,74.084 57.916,74.084 58.816,74.084 61.516,74.084 69.541,74.084 70.441,74.084 86.641,74.084 87.541,74.084 88.441,74.084 89.341,74.084 90.241,74.084 91.141,74.084 92.041,74.084 92.941,74.084 93.841,74.084 94.741,74.084 95.641,74.084 98.341,74.084 106.366,74.084 107.266,74.084 123.466,74.084 124.366,74.084 125.266,74.084 126.166,74.084 127.066,74.084 127.966,74.084 128.866,74.084 129.766,74.084 130.666,74.084 131.566,74.084 132.466,74.084 135.166,74.084 143.191,74.084 144.091,74.084 160.291,74.084 161.191,74.084 162.091,74.084 162.991,74.084 163.891,74.084 164.791,74.084 165.691,74.084 166.591,74.084 167.491,74.084 168.391,74.084 169.291,74.084 171.991,74.084 180.016,74.084 180.916,74.084 197.116,74.084 198.016,74.084 198.916,74.084 199.816,74.084 200.716,74.084 201.616,74.084 202.516,74.084 203.416,74.084 204.316,74.084 205.216,74.084 206.116,74.084 208.816,74.084 216.841,74.084 217.741,74.084 233.941,74.084 234.841,74.084 235.741,74.084 236.641,74.084 237.541,74.084 238.441,74.084 239.341,74.084 240.241,74.084 241.141,74.084 242.041,74.084 242.941,74.084 245.641,74.084 253.666,74.084 254.566,74.084 270.766,74.084 271.666,74.084 272.566,74.084 273.466,74.084 274.366,74.084 275.266,74.084 276.166,74.084 277.066,74.084 277.966,74.084 278.866,74.084 279.766,74.084 282.466,74.084 290.491,74.084 291.391,74.084 307.591,74.084 308.491,74.084 309.391,74.084 310.291,74.084 311.191,74.084 312.091,74.084 312.991,74.084 313.891,74.084 314.791,74.084 315.691,74.084 316.591,74.084 319.291,74.084 19.3,74.6 10.2,74.775 10.666,74.984 15.166,74.984 16.666,74.984 18.166,74.984 21.166,74.984 24.166,74.984 31.816,74.984 32.716,74.984 33.616,74.984 34.516,74.984 35.416,74.984 36.316,74.984 39.916,74.984 40.816,74.984 41.716,74.984 42.616,74.984 43.516,74.984 44.416,74.984 45.316,74.984 48.916,74.984 49.816,74.984 50.716,74.984 51.616,74.984 52.516,74.984 53.416,74.984 54.316,74.984 55.216,74.984 56.116,74.984 57.016,74.984 57.916,74.984 60.616,74.984 61.516,74.984 69.541,74.984 70.441,74.984 71.341,74.984 72.241,74.984 76.741,74.984 77.641,74.984 78.541,74.984 79.441,74.984 80.341,74.984 81.241,74.984 82.141,74.984 86.641,74.984 87.541,74.984 88.441,74.984 89.341,74.984 90.241,74.984 91.141,74.984 92.041,74.984 92.941,74.984 93.841,74.984 94.741,74.984 97.441,74.984 98.341,74.984 106.366,74.984 107.266,74.984 108.166,74.984 109.066,74.984 113.566,74.984 114.466,74.984 115.366,74.984 116.266,74.984 117.166,74.984 118.066,74.984 118.966,74.984 123.466,74.984 124.366,74.984 125.266,74.984 126.166,74.984 127.066,74.984 127.966,74.984 128.866,74.984 129.766,74.984 130.666,74.984 131.566,74.984 134.266,74.984 135.166,74.984 143.191,74.984 144.091,74.984 144.991,74.984 145.891,74.984 150.391,74.984 151.291,74.984 152.191,74.984 153.091,74.984 153.991,74.984 154.891,74.984 155.791,74.984 160.291,74.984 161.191,74.984 162.091,74.984 162.991,74.984 163.891,74.984 164.791,74.984 165.691,74.984 166.591,74.984 167.491,74.984 168.391,74.984 171.091,74.984 171.991,74.984 180.016,74.984 180.916,74.984 181.816,74.984 182.716,74.984 187.216,74.984 188.116,74.984 189.016,74.984 189.916,74.984 190.816,74.984 191.716,74.984 192.616,74.984 197.116,74.984 198.016,74.984 198.916,74.984 199.816,74.984 200.716,74.984 201.616,74.984 202.516,74.984 203.416,74.984 204.316,74.984 205.216,74.984 207.916,74.984 208.816,74.984 216.841,74.984 217.741,74.984 218.641,74.984 219.541,74.984 224.041,74.984 224.941,74.984 225.841,74.984 226.741,74.984 227.641,74.984 228.541,74.984 229.441,74.984 233.941,74.984 234.841,74.984 235.741,74.984 236.641,74.984 237.541,74.984 238.441,74.984 239.341,74.984 240.241,74.984 241.141,74.984 242.041,74.984 244.741,74.984 245.641,74.984 253.666,74.984 254.566,74.984 255.466,74.984 256.366,74.984 260.866,74.984 261.766,74.984 262.666,74.984 263.566,74.984 264.466,74.984 265.366,74.984 266.266,74.984 270.766,74.984 271.666,74.984 272.566,74.984 273.466,74.984 274.366,74.984 275.266,74.984 276.166,74.984 277.066,74.984 277.966,74.984 278.866,74.984 281.566,74.984 282.466,74.984 290.491,74.984 291.391,74.984 292.291,74.984 293.191,74.984 297.691,74.984 298.591,74.984 299.491,74.984 300.391,74.984 301.291,74.984 302.191,74.984 303.091,74.984 307.591,74.984 308.491,74.984 309.391,74.984 310.291,74.984 311.191,74.984 312.091,74.984 312.991,74.984 313.891,74.984 314.791,74.984 315.691,74.984 318.391,74.984 319.291,74.984 31.816,75.884 32.716,75.884 33.616,75.884 34.516,75.884 35.416,75.884 36.316,75.884 39.916,75.884 40.816,75.884 41.716,75.884 42.616,75.884 43.516,75.884 44.416,75.884 45.316,75.884 48.916,75.884 49.816,75.884 50.716,75.884 51.616,75.884 52.516,75.884 53.416,75.884 54.316,75.884 55.216,75.884 56.116,75.884 57.016,75.884 59.716,75.884 60.616,75.884 61.516,75.884 69.541,75.884 70.441,75.884 71.341,75.884 72.241,75.884 77.641,75.884 78.541,75.884 79.441,75.884 80.341,75.884 81.241,75.884 86.641,75.884 87.541,75.884 88.441,75.884 89.341,75.884 90.241,75.884 91.141,75.884 92.041,75.884 92.941,75.884 93.841,75.884 96.541,75.884 97.441,75.884 98.341,75.884 106.366,75.884 107.266,75.884 108.166,75.884 109.066,75.884 114.466,75.884 115.366,75.884 116.266,75.884 117.166,75.884 118.066,75.884 123.466,75.884 124.366,75.884 125.266,75.884 126.166,75.884 127.066,75.884 127.966,75.884 128.866,75.884 129.766,75.884 130.666,75.884 133.366,75.884 134.266,75.884 135.166,75.884 143.191,75.884 144.091,75.884 144.991,75.884 145.891,75.884 151.291,75.884 152.191,75.884 153.091,75.884 153.991,75.884 154.891,75.884 160.291,75.884 161.191,75.884 162.091,75.884 162.991,75.884 163.891,75.884 164.791,75.884 165.691,75.884 166.591,75.884 167.491,75.884 170.191,75.884 171.091,75.884 171.991,75.884 180.016,75.884 180.916,75.884 181.816,75.884 182.716,75.884 188.116,75.884 189.016,75.884 189.916,75.884 190.816,75.884 191.716,75.884 197.116,75.884 198.016,75.884 198.916,75.884 199.816,75.884 200.716,75.884 201.616,75.884 202.516,75.884 203.416,75.884 204.316,75.884 207.016,75.884 207.916,75.884 208.816,75.884 216.841,75.884 217.741,75.884 218.641,75.884 219.541,75.884 224.941,75.884 225.841,75.884 226.741,75.884 227.641,75.884 228.541,75.884 233.941,75.884 234.841,75.884 235.741,75.884 236.641,75.884 237.541,75.884 238.441,75.884 239.341,75.884 240.241,75.884 241.141,75.884 243.841,75.884 244.741,75.884 245.641,75.884 253.666,75.884 254.566,75.884 255.466,75.884 256.366,75.884 261.766,75.884 262.666,75.884 263.566,75.884 264.466,75.884 265.366,75.884 270.766,75.884 271.666,75.884 272.566,75.884 273.466,75.884 274.366,75.884 275.266,75.884 276.166,75.884 277.066,75.884 277.966,75.884 280.666,75.884 281.566,75.884 282.466,75.884 290.491,75.884 291.391,75.884 292.291,75.884 293.191,75.884 298.591,75.884 299.491,75.884 300.391,75.884 301.291,75.884 302.191,75.884 307.591,75.884 308.491,75.884 309.391,75.884 310.291,75.884 311.191,75.884 312.091,75.884 312.991,75.884 313.891,75.884 314.791,75.884 317.491,75.884 318.391,75.884 319.291,75.884 17.8,76.2 19.2,76.2 23.416,76.484 31.816,76.784 32.716,76.784 33.616,76.784 34.516,76.784 35.416,76.784 36.316,76.784 39.916,76.784 40.816,76.784 41.716,76.784 42.616,76.784 43.516,76.784 44.416,76.784 45.316,76.784 58.816,76.784 59.716,76.784 60.616,76.784 61.516,76.784 68.641,76.784 69.541,76.784 70.441,76.784 71.341,76.784 72.241,76.784 77.641,76.784 78.541,76.784 79.441,76.784 80.341,76.784 81.241,76.784 95.641,76.784 96.541,76.784 97.441,76.784 98.341,76.784 105.466,76.784 106.366,76.784 107.266,76.784 108.166,76.784 109.066,76.784 114.466,76.784 115.366,76.784 116.266,76.784 117.166,76.784 118.066,76.784 132.466,76.784 133.366,76.784 134.266,76.784 135.166,76.784 142.291,76.784 143.191,76.784 144.091,76.784 144.991,76.784 145.891,76.784 151.291,76.784 152.191,76.784 153.091,76.784 153.991,76.784 154.891,76.784 169.291,76.784 170.191,76.784 171.091,76.784 171.991,76.784 179.116,76.784 180.016,76.784 180.916,76.784 181.816,76.784 182.716,76.784 188.116,76.784 189.016,76.784 189.916,76.784 190.816,76.784 191.716,76.784 206.116,76.784 207.016,76.784 207.916,76.784 208.816,76.784 215.941,76.784 216.841,76.784 217.741,76.784 218.641,76.784 219.541,76.784 224.941,76.784 225.841,76.784 226.741,76.784 227.641,76.784 228.541,76.784 242.941,76.784 243.841,76.784 244.741,76.784 245.641,76.784 252.766,76.784 253.666,76.784 254.566,76.784 255.466,76.784 256.366,76.784 261.766,76.784 262.666,76.784 263.566,76.784 264.466,76.784 265.366,76.784 279.766,76.784 280.666,76.784 281.566,76.784 282.466,76.784 289.591,76.784 290.491,76.784 291.391,76.784 292.291,76.784 293.191,76.784 298.591,76.784 299.491,76.784 300.391,76.784 301.291,76.784 302.191,76.784 316.591,76.784 317.491,76.784 318.391,76.784 319.291,76.784 30.916,77.684 31.816,77.684 32.716,77.684 33.616,77.684 34.516,77.684 35.416,77.684 36.316,77.684 39.916,77.684 57.916,77.684 58.816,77.684 59.716,77.684 60.616,77.684 61.516,77.684 62.416,77.684 68.641,77.684 69.541,77.684 70.441,77.684 71.341,77.684 72.241,77.684 76.741,77.684 94.741,77.684 95.641,77.684 96.541,77.684 97.441,77.684 98.341,77.684 99.241,77.684 105.466,77.684 106.366,77.684 107.266,77.684 108.166,77.684 109.066,77.684 113.566,77.684 131.566,77.684 132.466,77.684 133.366,77.684 134.266,77.684 135.166,77.684 136.066,77.684 142.291,77.684 143.191,77.684 144.091,77.684 144.991,77.684 145.891,77.684 150.391,77.684 168.391,77.684 169.291,77.684 170.191,77.684 171.091,77.684 171.991,77.684 172.891,77.684 179.116,77.684 180.016,77.684 180.916,77.684 181.816,77.684 182.716,77.684 187.216,77.684 205.216,77.684 206.116,77.684 207.016,77.684 207.916,77.684 208.816,77.684 209.716,77.684 215.941,77.684 216.841,77.684 217.741,77.684 218.641,77.684 219.541,77.684 224.041,77.684 242.041,77.684 242.941,77.684 243.841,77.684 244.741,77.684 245.641,77.684 246.541,77.684 252.766,77.684 253.666,77.684 254.566,77.684 255.466,77.684 256.366,77.684 260.866,77.684 278.866,77.684 279.766,77.684 280.666,77.684 281.566,77.684 282.466,77.684 283.366,77.684 289.591,77.684 290.491,77.684 291.391,77.684 292.291,77.684 293.191,77.684 297.691,77.684 315.691,77.684 316.591,77.684 317.491,77.684 318.391,77.684 319.291,77.684 320.191,77.684 12.166,77.984 15.166,77.984 30.016,78.584 30.916,78.584 31.816,78.584 32.716,78.584 33.616,78.584 34.516,78.584 35.416,78.584 36.316,78.584 39.916,78.584 48.916,78.584 49.816,78.584 50.716,78.584 51.616,78.584 52.516,78.584 53.416,78.584 54.316,78.584 55.216,78.584 56.116,78.584 57.016,78.584 57.916,78.584 58.816,78.584 59.716,78.584 60.616,78.584 61.516,78.584 62.416,78.584 63.316,78.584 64.216,78.584 66.841,78.584 67.741,78.584 68.641,78.584 69.541,78.584 70.441,78.584 71.341,78.584 72.241,78.584 73.141,78.584 76.741,78.584 85.741,78.584 86.641,78.584 87.541,78.584 88.441,78.584 89.341,78.584 90.241,78.584 91.141,78.584 92.041,78.584 92.941,78.584 93.841,78.584 94.741,78.584 95.641,78.584 96.541,78.584 97.441,78.584 98.341,78.584 99.241,78.584 100.141,78.584 101.041,78.584 103.666,78.584 104.566,78.584 105.466,78.584 106.366,78.584 107.266,78.584 108.166,78.584 109.066,78.584 109.966,78.584 113.566,78.584 122.566,78.584 123.466,78.584 124.366,78.584 125.266,78.584 126.166,78.584 127.066,78.584 127.966,78.584 128.866,78.584 129.766,78.584 130.666,78.584 131.566,78.584 132.466,78.584 133.366,78.584 134.266,78.584 135.166,78.584 136.066,78.584 136.966,78.584 137.866,78.584 140.491,78.584 141.391,78.584 142.291,78.584 143.191,78.584 144.091,78.584 144.991,78.584 145.891,78.584 146.791,78.584 150.391,78.584 159.391,78.584 160.291,78.584 161.191,78.584 162.091,78.584 162.991,78.584 163.891,78.584 164.791,78.584 165.691,78.584 166.591,78.584 167.491,78.584 168.391,78.584 169.291,78.584 170.191,78.584 171.091,78.584 171.991,78.584 172.891,78.584 173.791,78.584 174.691,78.584 177.316,78.584 178.216,78.584 179.116,78.584 180.016,78.584 180.916,78.584 181.816,78.584 182.716,78.584 183.616,78.584 187.216,78.584 196.216,78.584 197.116,78.584 198.016,78.584 198.916,78.584 199.816,78.584 200.716,78.584 201.616,78.584 202.516,78.584 203.416,78.584 204.316,78.584 205.216,78.584 206.116,78.584 207.016,78.584 207.916,78.584 208.816,78.584 209.716,78.584 210.616,78.584 211.516,78.584 214.141,78.584 215.041,78.584 215.941,78.584 216.841,78.584 217.741,78.584 218.641,78.584 219.541,78.584 220.441,78.584 224.041,78.584 233.041,78.584 233.941,78.584 234.841,78.584 235.741,78.584 236.641,78.584 237.541,78.584 238.441,78.584 239.341,78.584 240.241,78.584 241.141,78.584 242.041,78.584 242.941,78.584 243.841,78.584 244.741,78.584 245.641,78.584 246.541,78.584 247.441,78.584 248.341,78.584 250.966,78.584 251.866,78.584 252.766,78.584 253.666,78.584 254.566,78.584 255.466,78.584 256.366,78.584 257.266,78.584 260.866,78.584 269.866,78.584 270.766,78.584 271.666,78.584 272.566,78.584 273.466,78.584 274.366,78.584 275.266,78.584 276.166,78.584 277.066,78.584 277.966,78.584 278.866,78.584 279.766,78.584 280.666,78.584 281.566,78.584 282.466,78.584 283.366,78.584 284.266,78.584 285.166,78.584 287.791,78.584 288.691,78.584 289.591,78.584 290.491,78.584 291.391,78.584 292.291,78.584 293.191,78.584 294.091,78.584 297.691,78.584 306.691,78.584 307.591,78.584 308.491,78.584 309.391,78.584 310.291,78.584 311.191,78.584 312.091,78.584 312.991,78.584 313.891,78.584 314.791,78.584 315.691,78.584 316.591,78.584 317.491,78.584 318.391,78.584 319.291,78.584 320.191,78.584 321.091,78.584 321.991,78.584 26.425,79.05
  other v2: 76.925,20.75 150.575,20.75 152.075,20.75 224.225,20.75 225.725,20.75 297.875,20.75 299.375,20.75 76.925,22.25 78.425,22.25 150.575,22.25 152.075,22.25 224.225,22.25 225.725,22.25 297.875,22.25 299.375,22.25 35.924,47.177 37.024,47.177 72.749,47.177 73.849,47.177 109.574,47.177 110.674,47.177 146.399,47.177 147.499,47.177 183.224,47.177 184.324,47.177 220.049,47.177 221.149,47.177 256.874,47.177 257.974,47.177 293.699,47.177 294.799,47.177 35.924,48.277 37.024,48.277 72.749,48.277 73.849,48.277 109.574,48.277 110.674,48.277 146.399,48.277 147.499,48.277 183.224,48.277 184.324,48.277 220.049,48.277 221.149,48.277 256.874,48.277 257.974,48.277 293.699,48.277 294.799,48.277